# EAGLE board Mk4 Final a Panel score 2x5 (EAGLE 9.0.1), part 9 of 29 (continued)
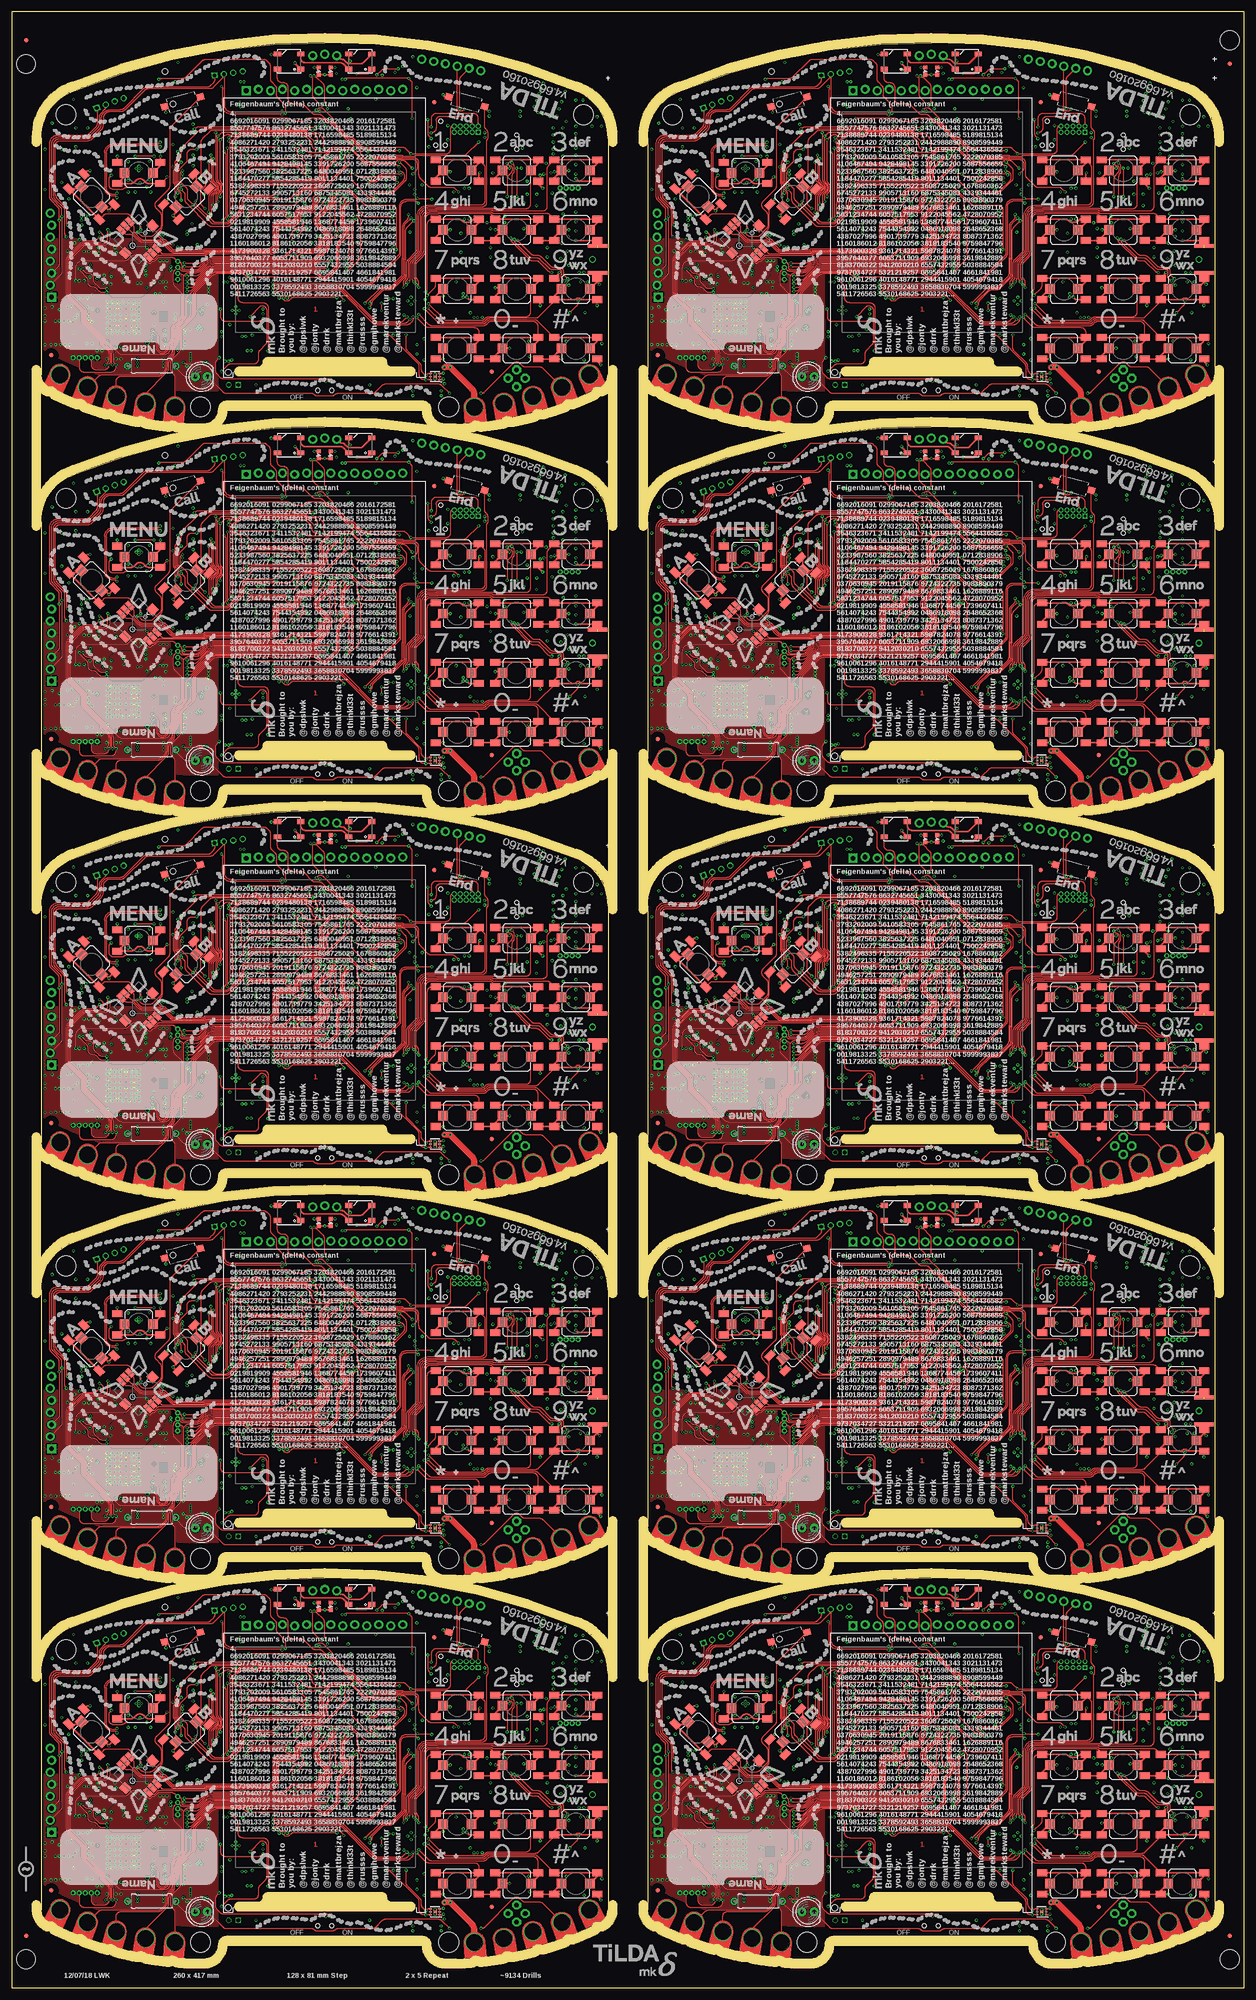
[diagram p0: board, top side]
## Tracks (layer width: path | path; a pad name or v marks a point on that pad's centre or on a via) (continued)
  Top 0.15: v178.25,28.7 180.41,30.86 arc-45 180.75,31 arc-90 181.75,30 181.75,23.41 arc-45 181.46,22.71 180.29,21.54 arc45 180,20.84 180,19.65 arc-90 179,18.65 174.16,18.65 arc45 173.46,18.36 v172.25,17.15
  Bottom 0.15: IC24.12 178.2,28.75 v178.25,28.7 | JP13.2 172.54,15.46 arc-45 172.25,16.16 v172.25,17.15
BQ_!QON2  (via drill 0.3)
  Top 0.15: v50.25,109.7 52.41,111.86 arc-45 52.75,112 arc-90 53.75,111 53.75,104.41 arc-45 53.46,103.71 52.29,102.54 arc45 52,101.84 52,100.65 arc-90 51,99.65 46.16,99.65 arc45 45.46,99.36 v44.25,98.15
  Bottom 0.15: IC42.12 50.2,109.75 v50.25,109.7 | JP22.2 44.54,96.46 arc-45 44.25,97.16 v44.25,98.15
BQ_!QON3  (via drill 0.3)
  Top 0.15: v178.25,109.7 180.41,111.86 arc-45 180.75,112 arc-90 181.75,111 181.75,104.41 arc-45 181.46,103.71 180.29,102.54 arc45 180,101.84 180,100.65 arc-90 179,99.65 174.16,99.65 arc45 173.46,99.36 v172.25,98.15
  Bottom 0.15: IC60.12 178.2,109.75 v178.25,109.7 | JP31.2 172.54,96.46 arc-45 172.25,97.16 v172.25,98.15
BQ_!QON4  (via drill 0.3)
  Top 0.15: v50.25,190.7 52.41,192.86 arc-45 52.75,193 arc-90 53.75,192 53.75,185.41 arc-45 53.46,184.71 52.29,183.54 arc45 52,182.84 52,181.65 arc-90 51,180.65 46.16,180.65 arc45 45.46,180.36 v44.25,179.15
  Bottom 0.15: IC78.12 50.2,190.75 v50.25,190.7 | JP40.2 44.54,177.46 arc-45 44.25,178.16 v44.25,179.15
BQ_!QON5  (via drill 0.3)
  Top 0.15: v178.25,190.7 180.41,192.86 arc-45 180.75,193 arc-90 181.75,192 181.75,185.41 arc-45 181.46,184.71 180.29,183.54 arc45 180,182.84 180,181.65 arc-90 179,180.65 174.16,180.65 arc45 173.46,180.36 v172.25,179.15
  Bottom 0.15: IC96.12 178.2,190.75 v178.25,190.7 | JP49.2 172.54,177.46 arc-45 172.25,178.16 v172.25,179.15
BQ_!QON6  (via drill 0.3)
  Top 0.15: v50.25,271.7 52.41,273.86 arc-45 52.75,274 arc-90 53.75,273 53.75,266.41 arc-45 53.46,265.71 52.29,264.54 arc45 52,263.84 52,262.65 arc-90 51,261.65 46.16,261.65 arc45 45.46,261.36 v44.25,260.15
  Bottom 0.15: IC114.12 50.2,271.75 v50.25,271.7 | JP58.2 44.54,258.46 arc-45 44.25,259.16 v44.25,260.15
BQ_!QON7  (via drill 0.3)
  Top 0.15: v178.25,271.7 180.41,273.86 arc-45 180.75,274 arc-90 181.75,273 181.75,266.41 arc-45 181.46,265.71 180.29,264.54 arc45 180,263.84 180,262.65 arc-90 179,261.65 174.16,261.65 arc45 173.46,261.36 v172.25,260.15
  Bottom 0.15: IC132.12 178.2,271.75 v178.25,271.7 | JP67.2 172.54,258.46 arc-45 172.25,259.16 v172.25,260.15
BQ_!QON8  (via drill 0.3)
  Top 0.15: v50.25,352.7 52.41,354.86 arc-45 52.75,355 arc-90 53.75,354 53.75,347.41 arc-45 53.46,346.71 52.29,345.54 arc45 52,344.84 52,343.65 arc-90 51,342.65 46.16,342.65 arc45 45.46,342.36 v44.25,341.15
  Bottom 0.15: IC150.12 50.2,352.75 v50.25,352.7 | JP76.2 44.54,339.46 arc-45 44.25,340.16 v44.25,341.15
BQ_!QON9  (via drill 0.3)
  Top 0.15: v178.25,352.7 180.41,354.86 arc-45 180.75,355 arc-90 181.75,354 181.75,347.41 arc-45 181.46,346.71 180.29,345.54 arc45 180,344.84 180,343.65 arc-90 179,342.65 174.16,342.65 arc45 173.46,342.36 v172.25,341.15
  Bottom 0.15: IC168.12 178.2,352.75 v178.25,352.7 | JP85.2 172.54,339.46 arc-45 172.25,340.16 v172.25,341.15
BQ_PMID
  Bottom 0.3: IC8.23 44.42,30.75
  Bottom 0.4: C36.1 43.3,31.04 43.92,31.04 arc-45 44.27,30.9 44.42,30.75
BQ_PMID1
  Bottom 0.3: IC24.23 172.42,30.75
  Bottom 0.4: C148.1 171.31,31.04 171.92,31.04 arc-45 172.27,30.9 172.42,30.75
BQ_PMID2
  Bottom 0.3: IC42.23 44.42,111.75
  Bottom 0.4: C256.1 43.3,112.04 43.92,112.04 arc-45 44.27,111.9 44.42,111.75
BQ_PMID3
  Bottom 0.3: IC60.23 172.42,111.75
  Bottom 0.4: C364.1 171.31,112.04 171.92,112.04 arc-45 172.27,111.9 172.42,111.75
BQ_PMID4
  Bottom 0.3: IC78.23 44.42,192.75
  Bottom 0.4: C472.1 43.3,193.04 43.92,193.04 arc-45 44.27,192.9 44.42,192.75
BQ_PMID5
  Bottom 0.3: IC96.23 172.42,192.75
  Bottom 0.4: C580.1 171.31,193.04 171.92,193.04 arc-45 172.27,192.9 172.42,192.75
BQ_PMID6
  Bottom 0.3: IC114.23 44.42,273.75
  Bottom 0.4: C688.1 43.3,274.05 43.92,274.05 arc-45 44.27,273.9 44.42,273.75
BQ_PMID7
  Bottom 0.3: IC132.23 172.42,273.75
  Bottom 0.4: C796.1 171.31,274.05 171.92,274.05 arc-45 172.27,273.9 172.42,273.75
BQ_PMID8
  Bottom 0.3: IC150.23 44.42,354.75
  Bottom 0.4: C904.1 43.3,355.05 43.92,355.05 arc-45 44.27,354.9 44.42,354.75
BQ_PMID9
  Bottom 0.3: IC168.23 172.42,354.75
  Bottom 0.4: C1012.1 171.31,355.05 171.92,355.05 arc-45 172.27,354.9 172.42,354.75
BQ_PSEL
  Bottom 0.15: IC8.2 46.5,35.25 R19.1 R18.1
BQ_PSEL1
  Bottom 0.15: IC24.2 174.5,35.25 R101.1 R100.1
BQ_PSEL2
  Bottom 0.15: IC42.2 46.5,116.25 R179.1 R178.1
BQ_PSEL3
  Bottom 0.15: IC60.2 174.5,116.25 R257.1 R256.1
BQ_PSEL4
  Bottom 0.15: IC78.2 46.5,197.25 R335.1 R334.1
BQ_PSEL5
  Bottom 0.15: IC96.2 174.5,197.25 R413.1 R412.1
BQ_PSEL6
  Bottom 0.15: IC114.2 46.5,278.25 R491.1 R490.1
BQ_PSEL7
  Bottom 0.15: IC132.2 174.5,278.25 R569.1 R568.1
BQ_PSEL8
  Bottom 0.15: IC150.2 46.5,359.25 R647.1 R646.1
BQ_PSEL9
  Bottom 0.15: IC168.2 174.5,359.25 R725.1 R724.1
BQ_REGN  (via drill 0.3)
  Top 0.2: v44,30.25 44,28.75 arc90 45,27.75 52.09,27.75 arc45 52.79,28.04 v53,28.25
  Bottom 0.25: IC8.22 v44,30.25
  Bottom 0.3: R16.2 v53,28.25
  Bottom 0.4: C39.2 v44,30.25
BQ_REGN1  (via drill 0.3)
  Top 0.2: v172,30.25 172,28.75 arc90 173,27.75 180.09,27.75 arc45 180.79,28.04 v181,28.25
  Bottom 0.25: IC24.22 v172,30.25
  Bottom 0.3: R98.2 v181,28.25
  Bottom 0.4: C149.2 v172,30.25
BQ_REGN2  (via drill 0.3)
  Top 0.2: v44,111.25 44,109.75 arc90 45,108.75 52.09,108.75 arc45 52.79,109.04 v53,109.25
  Bottom 0.25: IC42.22 v44,111.25
  Bottom 0.3: R176.2 v53,109.25
  Bottom 0.4: C257.2 v44,111.25
BQ_REGN3  (via drill 0.3)
  Top 0.2: v172,111.25 172,109.75 arc90 173,108.75 180.09,108.75 arc45 180.79,109.04 v181,109.25
  Bottom 0.25: IC60.22 v172,111.25
  Bottom 0.3: R254.2 v181,109.25
  Bottom 0.4: C365.2 v172,111.25
BQ_REGN4  (via drill 0.3)
  Top 0.2: v44,192.25 44,190.75 arc90 45,189.75 52.09,189.75 arc45 52.79,190.04 v53,190.25
  Bottom 0.25: IC78.22 v44,192.25
  Bottom 0.3: R332.2 v53,190.25
  Bottom 0.4: C473.2 v44,192.25
BQ_REGN5  (via drill 0.3)
  Top 0.2: v172,192.25 172,190.75 arc90 173,189.75 180.09,189.75 arc45 180.79,190.04 v181,190.25
  Bottom 0.25: IC96.22 v172,192.25
  Bottom 0.3: R410.2 v181,190.25
  Bottom 0.4: C581.2 v172,192.25
BQ_REGN6  (via drill 0.3)
  Top 0.2: v44,273.25 44,271.75 arc90 45,270.75 52.09,270.75 arc45 52.79,271.04 v53,271.25
  Bottom 0.25: IC114.22 v44,273.25
  Bottom 0.3: R488.2 v53,271.25
  Bottom 0.4: C689.2 v44,273.25
BQ_REGN7  (via drill 0.3)
  Top 0.2: v172,273.25 172,271.75 arc90 173,270.75 180.09,270.75 arc45 180.79,271.04 v181,271.25
  Bottom 0.25: IC132.22 v172,273.25
  Bottom 0.3: R566.2 v181,271.25
  Bottom 0.4: C797.2 v172,273.25
BQ_REGN8  (via drill 0.3)
  Top 0.2: v44,354.25 44,352.75 arc90 45,351.75 52.09,351.75 arc45 52.79,352.04 v53,352.25
  Bottom 0.25: IC150.22 v44,354.25
  Bottom 0.3: R644.2 v53,352.25
  Bottom 0.4: C905.2 v44,354.25
BQ_REGN9  (via drill 0.3)
  Top 0.2: v172,354.25 172,352.75 arc90 173,351.75 180.09,351.75 arc45 180.79,352.04 v181,352.25
  Bottom 0.25: IC168.22 v172,354.25
  Bottom 0.3: R722.2 v181,352.25
  Bottom 0.4: C1013.2 v172,354.25
BQ_STAT
  Bottom 0.15: IC8.4 47.5,33.25 R20.1
BQ_STAT1
  Bottom 0.15: IC24.4 175.5,33.25 R102.1
BQ_STAT2
  Bottom 0.15: IC42.4 47.5,114.25 R180.1
BQ_STAT3
  Bottom 0.15: IC60.4 175.5,114.25 R258.1
BQ_STAT4
  Bottom 0.15: IC78.4 47.5,195.25 R336.1
BQ_STAT5
  Bottom 0.15: IC96.4 175.5,195.25 R414.1
BQ_STAT6
  Bottom 0.15: IC114.4 47.5,276.25 R492.1
BQ_STAT7
  Bottom 0.15: IC132.4 175.5,276.25 R570.1
BQ_STAT8
  Bottom 0.15: IC150.4 47.5,357.25 R648.1
BQ_STAT9
  Bottom 0.15: IC168.4 175.5,357.25 R726.1
BQ_STAT_R
  Bottom 0.15: LED6.C 48,34.75 R20.2
BQ_STAT_R1
  Bottom 0.15: LED12.C 176,34.75 R102.2
BQ_STAT_R2
  Bottom 0.15: LED18.C 48,115.75 R180.2
BQ_STAT_R3
  Bottom 0.15: LED24.C 176,115.75 R258.2
BQ_STAT_R4
  Bottom 0.15: LED30.C 48,196.75 R336.2
BQ_STAT_R5
  Bottom 0.15: LED36.C 176,196.75 R414.2
BQ_STAT_R6
  Bottom 0.15: LED42.C 48,277.75 R492.2
BQ_STAT_R7
  Bottom 0.15: LED48.C 176,277.75 R570.2
BQ_STAT_R8
  Bottom 0.15: LED54.C 48,358.75 R648.2
BQ_STAT_R9
  Bottom 0.15: LED60.C 176,358.75 R726.2
BQ_SW
  pour Bottom (no thermals): 45.5,29.3 44.3,29.3 43.85,28.85 arc-45 43.49,28.7 43.01,28.7 arc-45 42.65,28.85 42.5,29 42.5,29.45 42.05,29.45 41.3,28.7 arc45 41.15,28.34 41.15,26.5 43.5,26.5 arc90 44,27 44,27.79 arc-45 44.15,28.15 44.7,28.7 45.5,28.7
BQ_SW1
  pour Bottom (no thermals): 173.5,29.3 172.3,29.3 171.85,28.85 arc-45 171.49,28.7 171.01,28.7 arc-45 170.65,28.85 170.5,29 170.5,29.45 170.05,29.45 169.3,28.7 arc45 169.15,28.34 169.15,26.5 171.5,26.5 arc90 172,27 172,27.79 arc-45 172.15,28.15 172.7,28.7 173.5,28.7
BQ_SW2
  pour Bottom (no thermals): 45.5,110.3 44.3,110.3 43.85,109.85 arc-45 43.49,109.7 43.01,109.7 arc-45 42.65,109.85 42.5,110 42.5,110.45 42.05,110.45 41.3,109.7 arc45 41.15,109.34 41.15,107.5 43.5,107.5 arc90 44,108 44,108.79 arc-45 44.15,109.15 44.7,109.7 45.5,109.7
BQ_SW3
  pour Bottom (no thermals): 173.5,110.3 172.3,110.3 171.85,109.85 arc-45 171.49,109.7 171.01,109.7 arc-45 170.65,109.85 170.5,110 170.5,110.45 170.05,110.45 169.3,109.7 arc45 169.15,109.34 169.15,107.5 171.5,107.5 arc90 172,108 172,108.79 arc-45 172.15,109.15 172.7,109.7 173.5,109.7
BQ_SW4
  pour Bottom (no thermals): 45.5,191.3 44.3,191.3 43.85,190.85 arc-45 43.49,190.7 43.01,190.7 arc-45 42.65,190.85 42.5,191 42.5,191.45 42.05,191.45 41.3,190.7 arc45 41.15,190.34 41.15,188.5 43.5,188.5 arc90 44,189 44,189.79 arc-45 44.15,190.15 44.7,190.7 45.5,190.7
BQ_SW5
  pour Bottom (no thermals): 173.5,191.3 172.3,191.3 171.85,190.85 arc-45 171.49,190.7 171.01,190.7 arc-45 170.65,190.85 170.5,191 170.5,191.45 170.05,191.45 169.3,190.7 arc45 169.15,190.34 169.15,188.5 171.5,188.5 arc90 172,189 172,189.79 arc-45 172.15,190.15 172.7,190.7 173.5,190.7
BQ_SW6
  pour Bottom (no thermals): 45.5,272.3 44.3,272.3 43.85,271.85 arc-45 43.49,271.7 43.01,271.7 arc-45 42.65,271.85 42.5,272 42.5,272.45 42.05,272.45 41.3,271.7 arc45 41.15,271.34 41.15,269.5 43.5,269.5 arc90 44,270 44,270.79 arc-45 44.15,271.15 44.7,271.7 45.5,271.7
BQ_SW7
  pour Bottom (no thermals): 173.5,272.3 172.3,272.3 171.85,271.85 arc-45 171.49,271.7 171.01,271.7 arc-45 170.65,271.85 170.5,272 170.5,272.45 170.05,272.45 169.3,271.7 arc45 169.15,271.34 169.15,269.5 171.5,269.5 arc90 172,270 172,270.79 arc-45 172.15,271.15 172.7,271.7 173.5,271.7
BQ_SW8
  pour Bottom (no thermals): 45.5,353.3 44.3,353.3 43.85,352.85 arc-45 43.49,352.7 43.01,352.7 arc-45 42.65,352.85 42.5,353 42.5,353.45 42.05,353.45 41.3,352.7 arc45 41.15,352.34 41.15,350.5 43.5,350.5 arc90 44,351 44,351.79 arc-45 44.15,352.15 44.7,352.7 45.5,352.7
BQ_SW9
  pour Bottom (no thermals): 173.5,353.3 172.3,353.3 171.85,352.85 arc-45 171.49,352.7 171.01,352.7 arc-45 170.65,352.85 170.5,353 170.5,353.45 170.05,353.45 169.3,352.7 arc45 169.15,352.34 169.15,350.5 171.5,350.5 arc90 172,351 172,351.79 arc-45 172.15,352.15 172.7,352.7 173.5,352.7
BQ_TS
  Bottom 0.15: R16.1 R15.2 IC8.11
BQ_TS1
  Bottom 0.15: R98.1 R97.2 IC24.11
BQ_TS2
  Bottom 0.15: R176.1 R175.2 IC42.11
BQ_TS3
  Bottom 0.15: R254.1 R253.2 IC60.11
BQ_TS4
  Bottom 0.15: R332.1 R331.2 IC78.11
BQ_TS5
  Bottom 0.15: R410.1 R409.2 IC96.11
BQ_TS6
  Bottom 0.15: R488.1 R487.2 IC114.11
BQ_TS7
  Bottom 0.15: R566.1 R565.2 IC132.11
BQ_TS8
  Bottom 0.15: R644.1 R643.2 IC150.11
BQ_TS9
  Bottom 0.15: R722.1 R721.2 IC168.11
BT_ANT
  Bottom 0.4: IC5.20 109.8,57 arc-90 112.8,60 113.25,60 arc90 115.25,62 115.25,69.5 arc-21 116,70.5 arc-6 C74.2 arc-6 L5.1
BT_ANT1
  Bottom 0.4: IC21.20 237.8,57 arc-90 240.8,60 241.25,60 arc90 243.25,62 243.25,69.5 arc-21 244,70.5 arc-6 C175.2 arc-6 L14.1
BT_ANT2
  Bottom 0.4: IC39.20 109.8,138 arc-90 112.8,141 113.25,141 arc90 115.25,143 115.25,150.5 arc-21 116,151.5 arc-6 C283.2 arc-6 L23.1
BT_ANT3
  Bottom 0.4: IC57.20 237.8,138 arc-90 240.8,141 241.25,141 arc90 243.25,143 243.25,150.5 arc-21 244,151.5 arc-6 C391.2 arc-6 L32.1
BT_ANT4
  Bottom 0.4: IC75.20 109.8,219 arc-90 112.8,222 113.25,222 arc90 115.25,224 115.25,231.5 arc-21 116,232.5 arc-6 C499.2 arc-6 L41.1
BT_ANT5
  Bottom 0.4: IC93.20 237.8,219 arc-90 240.8,222 241.25,222 arc90 243.25,224 243.25,231.5 arc-21 244,232.5 arc-6 C607.2 arc-6 L50.1
BT_ANT6
  Bottom 0.4: IC111.20 109.8,300 arc-90 112.8,303 113.25,303 arc90 115.25,305 115.25,312.5 arc-21 116,313.5 arc-6 C715.2 arc-6 L59.1
BT_ANT7
  Bottom 0.4: IC129.20 237.8,300 arc-90 240.8,303 241.25,303 arc90 243.25,305 243.25,312.5 arc-21 244,313.5 arc-6 C823.2 arc-6 L68.1
BT_ANT8
  Bottom 0.4: IC147.20 109.8,381 arc-90 112.8,384 113.25,384 arc90 115.25,386 115.25,393.5 arc-21 116,394.5 arc-6 C931.2 arc-6 L77.1
BT_ANT9
  Bottom 0.4: IC165.20 237.8,381 arc-90 240.8,384 241.25,384 arc90 243.25,386 243.25,393.5 arc-21 244,394.5 arc-6 C1039.2 arc-6 L86.1
BT_ANT_L
  Bottom 0.4: L5.2 arc-10 C75.2 117.28,74.22 arc85 117,74.75 arc15 ANT2.1
BT_ANT_L1
  Bottom 0.4: L14.2 arc-10 C176.2 245.28,74.22 arc85 245,74.75 arc15 ANT4.1
BT_ANT_L2
  Bottom 0.4: L23.2 arc-10 C284.2 117.28,155.22 arc85 117,155.75 arc15 ANT6.1
BT_ANT_L3
  Bottom 0.4: L32.2 arc-10 C392.2 245.28,155.22 arc85 245,155.75 arc15 ANT8.1
BT_ANT_L4
  Bottom 0.4: L41.2 arc-10 C500.2 117.28,236.22 arc85 117,236.75 arc15 ANT10.1
BT_ANT_L5
  Bottom 0.4: L50.2 arc-10 C608.2 245.28,236.22 arc85 245,236.75 arc15 ANT12.1
BT_ANT_L6
  Bottom 0.4: L59.2 arc-10 C716.2 117.28,317.22 arc85 117,317.75 arc15 ANT14.1
BT_ANT_L7
  Bottom 0.4: L68.2 arc-10 C824.2 245.28,317.22 arc85 245,317.75 arc15 ANT16.1
BT_ANT_L8
  Bottom 0.4: L77.2 arc-10 C932.2 117.28,398.22 arc85 117,398.75 arc15 ANT18.1
BT_ANT_L9
  Bottom 0.4: L86.2 arc-10 C1040.2 245.28,398.22 arc85 245,398.75 arc15 ANT20.1
BTN_1  (via drill 0.3)
  Top 0.2: S1.B2 99.61,60.69 arc-45 99.9,59.99 99.9,53.25 arc-90 98.9,52.25 89.31,52.25 89.23,52.17 87.8,52.17 arc90 85.55,49.92 85.55,43.09 arc-45 85.26,42.38 83.62,40.74 arc45 83.33,40.04 83.33,37.31 arc-45 83.03,36.61 82.94,36.52 arc45 82.65,35.81 v82.65,34.85
  Top 0.3: S1.2 98.55,61.05 S1.B2 S1.B1
  Bottom 0.15: IC4.1 83,34.42 arc45 82.94,34.56 v82.65,34.85
BTN_2  (via drill 0.3)
  Top 0.2: S2.2 109.5,52.5 arc-90 108.5,51.5 101.48,51.5 101.44,51.55 89.6,51.55 89.53,51.48 88,51.48 arc90 86.25,49.73 86.25,43.01 arc-45 85.81,41.95 84.39,40.53 arc45 84.1,39.82 84.1,36.81 arc-45 83.81,36.11 v83.7,36
  Top 0.3: S2.2 111.05,61.05 S2.B2 S2.B1
  Bottom 0.15: IC4.3 84,35.29 arc45 v83.71,35.99 v83.7,36
BTN_3  (via drill 0.3)
  Top 0.2: S3.B1 113.29,60.59 arc45 113,59.89 113,52 arc-90 112,51 101.57,51 arc-45 101.43,51.06 101.35,51.14 arc45 101.21,51.2 89.75,51.2 89.67,51.12 88.1,51.12 arc90 86.6,49.62 86.6,42.97 arc-45 86.09,41.73 84.79,40.43 arc45 84.5,39.73 84.5,36.71 arc45 v84.79,36.01 v84.8,36
  Top 0.3: S3.2 123.55,61.05 S3.B2 S3.B1
  Bottom 0.15: IC4.4 84.5,35.29 arc-45 v84.79,35.99 v84.8,36
BTN_4  (via drill 0.3)
  Top 0.2: S4.B1 88.7,49.25 arc90 87.7,48.25 87.7,37.2 87.7,37 87.7,34.71 arc-45 87.41,34.01 v87.3,33.9
  Top 0.3: S4.2 98.55,48.55 S4.B2 97.76,49.25 arc45 97.06,48.96 96.89,48.8 arc-45 96.54,48.65 95.46,48.65 arc-45 95.11,48.8 94.94,48.96 arc45 94.24,49.25 S4.B1
  Bottom 0.15: IC4.7 86.65,33.25 v87.3,33.9
BTN_5  (via drill 0.3)
  Top 0.2: S5.B1 101.95,49.55 101.29,50.21 arc45 100.59,50.5 90.03,50.5 89.96,50.42 88.35,50.42 arc90 87.35,49.42 87.35,42.93 arc-45 86.69,41.34 85.59,40.24 arc45 85.3,39.54 85.3,37.19 arc45 85.59,36.48 arc-45 85.85,35.86 v85.85,34.85
  Top 0.3: S5.2 111.05,48.55 S5.B2 S5.B1
  Bottom 0.15: IC4.6 85.5,34.29 arc-45 85.65,34.65 v85.85,34.85
BTN_6  (via drill 0.3)
  Top 0.2: S6.B1 113.49,50.21 arc45 112.79,50.5 101.58,50.5 arc-45 101.44,50.56 arc45 100.73,50.85 89.89,50.85 89.81,50.77 88.25,50.77 arc90 87,49.52 87,42.97 arc-45 86.41,41.56 85.19,40.34 arc45 84.9,39.63 84.9,37.09 arc45 85.19,36.39 arc-45 85.35,36.01 85.35,35.77 85.3,35.72 v85.3,35.4
  Top 0.3: S6.2 123.55,48.55 S6.B2 S6.B1
  Bottom 0.15: IC4.5 85,34.69 arc-45 v85.29,35.39 v85.3,35.4
BTN_7  (via drill 0.3)
  Top 0.2: v87.63,33.17 89.16,34.7 arc45 89.45,35.4 S7.B1
  Top 0.3: S7.2 98.55,36.05 S7.B2 S7.B1
  Bottom 0.15: IC4.8 86.97,32.75 87.02,32.8 arc45 87.43,32.97 v87.63,33.17
BTN_8  (via drill 0.3)
  Top 0.2: S8.2 109.5,29.7 arc-90 108.5,28.7 100.71,28.7 arc45 100.01,28.41 99.79,28.19 arc-45 99.09,27.9 93.7,27.9 91.81,27.9 arc-45 91.11,28.19 v87.9,31.4
  Top 0.3: S8.2 111.05,36.05 S8.B2 S8.B1
  Bottom 0.15: IC4.10 87.01,31.75 87.03,31.73 87.16,31.73 arc-45 87.87,31.43 v87.9,31.4
BTN_9  (via drill 0.3)
  Top 0.2: v87.8,30.5 90.46,27.84 arc45 91.16,27.55 99.23,27.55 arc45 99.94,27.84 100.1,28.01 arc-45 100.81,28.3 110.39,28.3 arc45 111.09,28.59 114.45,31.95 S9.B2
  Top 0.3: S9.2 114.45,32.95 S9.B2 118.9,32.25 119.25,32.6 119.75,32.6 120.1,32.25 S9.B1
  Bottom 0.15: IC4.11 86.64,31.25 arc-45 87.34,30.96 v87.8,30.5
BTN_10  (via drill 0.3)
  Top 0.2: S10.B2 98.55,25.4 arc90 97.55,26.4 87.91,26.4 arc-45 87.21,26.69 v85.4,28.5
  Top 0.3: S10.2 98.55,23.55 S10.B2 S10.B1
  Bottom 0.15: IC4.14 85,29.31 arc45 85.15,28.95 85.26,28.84 arc-45 v85.4,28.5
BTN_11  (via drill 0.3)
  Top 0.2: S11.B2 111.05,26.6 arc90 110.05,27.6 101.11,27.6 arc45 100.41,27.31 100.19,27.09 arc-45 99.49,26.8 88.61,26.8 arc-45 87.91,27.09 v85.85,29.15
  Top 0.3: S11.2 111.05,23.55 S11.B2 S11.B1 | S11.B1 101.75,24.25 101.5,24 101.7,24 S11.B1
  Bottom 0.15: IC4.13 85.5,29.5 v85.85,29.15
BTN_12  (via drill 0.3)
  Top 0.2: S12.B1 111.04,27.66 arc45 110.34,27.95 100.95,27.95 arc45 100.25,27.66 100.08,27.49 arc-45 99.38,27.2 90.61,27.2 arc-45 89.91,27.49 v87.05,30.35
  Top 0.3: S12.2 123.26,23.26 arc45 123.55,23.96 S12.B2 S12.B1
  Bottom 0.15: IC4.12 86.65,30.75 v87.05,30.35
BTN_13  (via drill 0.3)
  Top 0.2: S21.B2 227.61,60.69 arc-45 227.9,59.99 227.9,53.25 arc-90 226.9,52.25 217.31,52.25 217.24,52.17 215.8,52.17 arc90 213.55,49.92 213.55,43.09 arc-45 213.26,42.38 211.62,40.74 arc45 211.32,40.04 211.32,37.31 arc-45 211.03,36.61 210.94,36.52 arc45 210.65,35.81 v210.65,34.85
  Top 0.3: S21.2 226.55,61.05 S21.B2 S21.B1
  Bottom 0.15: IC31.1 211,34.42 arc45 210.94,34.56 v210.65,34.85
BTN_14  (via drill 0.3)
  Top 0.2: S26.2 237.5,52.5 arc-90 236.5,51.5 229.49,51.5 229.44,51.55 217.6,51.55 217.53,51.48 216,51.48 arc90 214.25,49.73 214.25,43.01 arc-45 213.81,41.95 212.39,40.53 arc45 212.1,39.82 212.1,36.81 arc-45 211.81,36.11 v211.7,36
  Top 0.3: S26.2 239.05,61.05 S26.B2 S26.B1
  Bottom 0.15: IC31.3 212,35.29 arc45 v211.71,35.99 v211.7,36
BTN_15  (via drill 0.3)
  Top 0.2: S30.B1 241.29,60.59 arc45 241,59.89 241,52 arc-90 240,51 229.57,51 arc-45 229.43,51.06 229.35,51.14 arc45 229.21,51.2 217.75,51.2 217.67,51.12 216.1,51.12 arc90 214.6,49.62 214.6,42.97 arc-45 214.09,41.73 212.79,40.43 arc45 212.5,39.73 212.5,36.71 arc45 v212.79,36.01 v212.8,36
  Top 0.3: S30.2 251.55,61.05 S30.B2 S30.B1
  Bottom 0.15: IC31.4 212.5,35.29 arc-45 v212.79,35.99 v212.8,36
BTN_16  (via drill 0.3)
  Top 0.2: S25.B2 226.55,25.4 arc90 225.55,26.4 215.91,26.4 arc-45 215.21,26.69 v213.4,28.5
  Top 0.3: S25.2 226.55,23.55 S25.B2 S25.B1
  Bottom 0.15: IC31.14 213,29.31 arc45 213.15,28.95 213.26,28.84 arc-45 v213.4,28.5
BTN_17  (via drill 0.3)
  Top 0.2: S27.B1 229.95,49.55 229.29,50.21 arc45 228.59,50.5 218.03,50.5 217.96,50.42 216.35,50.42 arc90 215.35,49.42 215.35,42.93 arc-45 214.69,41.34 213.59,40.24 arc45 213.3,39.54 213.3,37.19 arc45 213.59,36.48 arc-45 213.85,35.86 v213.85,34.85
  Top 0.3: S27.2 239.05,48.55 S27.B2 S27.B1
  Bottom 0.15: IC31.6 213.5,34.29 arc-45 213.65,34.65 v213.85,34.85
BTN_18  (via drill 0.3)
  Top 0.2: S28.2 237.5,29.7 arc-90 236.5,28.7 228.71,28.7 arc45 228.01,28.41 227.79,28.19 arc-45 227.09,27.9 221.7,27.9 219.81,27.9 arc-45 219.11,28.19 v215.9,31.4
  Top 0.3: S28.2 239.05,36.05 S28.B2 S28.B1
  Bottom 0.15: IC31.10 215.01,31.75 215.03,31.73 215.16,31.73 arc-45 215.87,31.43 v215.9,31.4
BTN_19  (via drill 0.3)
  Top 0.2: S29.B2 239.05,26.6 arc90 238.05,27.6 229.11,27.6 arc45 228.41,27.31 228.19,27.09 arc-45 227.49,26.8 216.61,26.8 arc-45 215.91,27.09 v213.85,29.15
  Top 0.3: S29.2 239.05,23.55 S29.B2 S29.B1 | S29.B1 229.75,24.25 229.5,24 229.7,24 S29.B1
  Bottom 0.15: IC31.13 213.5,29.5 v213.85,29.15
BTN_20  (via drill 0.3)
  Top 0.2: S31.B1 241.49,50.21 arc45 240.79,50.5 229.58,50.5 arc-45 229.44,50.56 arc45 228.73,50.85 217.89,50.85 217.81,50.77 216.25,50.77 arc90 215,49.52 215,42.97 arc-45 214.41,41.56 213.19,40.34 arc45 212.9,39.63 212.9,37.09 arc45 213.19,36.39 arc-45 213.35,36.01 213.35,35.77 213.3,35.72 v213.3,35.4
  Top 0.3: S31.2 251.55,48.55 S31.B2 S31.B1
  Bottom 0.15: IC31.5 213,34.69 arc-45 v213.29,35.39 v213.3,35.4
BTN_21  (via drill 0.3)
  Top 0.2: v215.8,30.5 218.46,27.84 arc45 219.16,27.55 227.23,27.55 arc45 227.94,27.84 228.1,28.01 arc-45 228.81,28.3 238.39,28.3 arc45 239.09,28.59 242.45,31.95 S32.B2
  Top 0.3: S32.2 242.45,32.95 S32.B2 246.9,32.25 247.25,32.6 247.75,32.6 248.1,32.25 S32.B1
  Bottom 0.15: IC31.11 214.64,31.25 arc-45 215.34,30.96 v215.8,30.5
BTN_22  (via drill 0.3)
  Top 0.2: S33.B1 239.04,27.66 arc45 238.34,27.95 228.95,27.95 arc45 228.25,27.66 228.08,27.49 arc-45 227.38,27.2 218.61,27.2 arc-45 217.91,27.49 v215.05,30.35
  Top 0.3: S33.2 251.26,23.26 arc45 251.55,23.96 S33.B2 S33.B1
  Bottom 0.15: IC31.12 214.65,30.75 v215.05,30.35
BTN_23  (via drill 0.3)
  Top 0.2: S23.B1 216.7,49.25 arc90 215.7,48.25 215.7,37.2 215.7,37 215.7,34.71 arc-45 215.41,34.01 v215.3,33.9
  Top 0.3: S23.2 226.55,48.55 S23.B2 225.76,49.25 arc45 225.06,48.96 224.9,48.8 arc-45 224.54,48.65 223.46,48.65 arc-45 223.1,48.8 222.94,48.96 arc45 222.24,49.25 S23.B1
  Bottom 0.15: IC31.7 214.65,33.25 v215.3,33.9
BTN_24  (via drill 0.3)
  Top 0.2: v215.63,33.17 217.16,34.7 arc45 217.45,35.4 S24.B1
  Top 0.3: S24.2 226.55,36.05 S24.B2 S24.B1
  Bottom 0.15: IC31.8 214.97,32.75 215.02,32.8 arc45 215.43,32.97 v215.63,33.17
BTN_25  (via drill 0.3)
  Top 0.2: S43.B2 99.61,141.69 arc-45 99.9,140.99 99.9,134.25 arc-90 98.9,133.25 89.31,133.25 89.23,133.18 87.8,133.18 arc90 85.55,130.93 85.55,124.09 arc-45 85.26,123.38 83.62,121.74 arc45 83.33,121.04 83.33,118.31 arc-45 83.03,117.61 82.94,117.52 arc45 82.65,116.81 v82.65,115.85
  Top 0.3: S43.2 98.55,142.05 S43.B2 S43.B1
  Bottom 0.15: IC49.1 83,115.42 arc45 82.94,115.56 v82.65,115.85
BTN_26  (via drill 0.3)
  Top 0.2: S47.2 109.5,133.5 arc-90 108.5,132.5 101.48,132.5 101.44,132.55 89.6,132.55 89.53,132.47 88,132.47 arc90 86.25,130.72 86.25,124.01 arc-45 85.81,122.95 84.39,121.53 arc45 84.1,120.82 84.1,117.81 arc-45 83.81,117.11 v83.7,117
  Top 0.3: S47.2 111.05,142.05 S47.B2 S47.B1
  Bottom 0.15: IC49.3 84,116.29 arc45 v83.71,116.99 v83.7,117
BTN_27  (via drill 0.3)
  Top 0.2: S51.B1 113.29,141.59 arc45 113,140.89 113,133 arc-90 112,132 101.57,132 arc-45 101.43,132.06 101.35,132.14 arc45 101.21,132.2 89.75,132.2 89.67,132.12 88.1,132.12 arc90 86.6,130.62 86.6,123.97 arc-45 86.09,122.73 84.79,121.43 arc45 84.5,120.73 84.5,117.71 arc45 v84.79,117.01 v84.8,117
  Top 0.3: S51.2 123.55,142.05 S51.B2 S51.B1
  Bottom 0.15: IC49.4 84.5,116.29 arc-45 v84.79,116.99 v84.8,117
BTN_28  (via drill 0.3)
  Top 0.2: S46.B2 98.55,106.4 arc90 97.55,107.4 87.91,107.4 arc-45 87.21,107.69 v85.4,109.5
  Top 0.3: S46.2 98.55,104.55 S46.B2 S46.B1
  Bottom 0.15: IC49.14 85,110.31 arc45 85.15,109.95 85.26,109.84 arc-45 v85.4,109.5
BTN_29  (via drill 0.3)
  Top 0.2: S48.B1 101.95,130.55 101.29,131.21 arc45 100.59,131.5 90.03,131.5 89.96,131.43 88.35,131.43 arc90 87.35,130.43 87.35,123.93 arc-45 86.69,122.34 85.59,121.24 arc45 85.3,120.54 85.3,118.19 arc45 85.59,117.48 arc-45 85.85,116.86 v85.85,115.85
  Top 0.3: S48.2 111.05,129.55 S48.B2 S48.B1
  Bottom 0.15: IC49.6 85.5,115.29 arc-45 85.65,115.65 v85.85,115.85
BTN_30  (via drill 0.3)
  Top 0.2: S49.2 109.5,110.7 arc-90 108.5,109.7 100.71,109.7 arc45 100.01,109.41 99.79,109.19 arc-45 99.09,108.9 93.7,108.9 91.81,108.9 arc-45 91.11,109.19 v87.9,112.4
  Top 0.3: S49.2 111.05,117.05 S49.B2 S49.B1
  Bottom 0.15: IC49.10 87.01,112.75 87.03,112.72 87.16,112.72 arc-45 87.87,112.43 v87.9,112.4
BTN_31  (via drill 0.3)
  Top 0.2: S50.B2 111.05,107.6 arc90 110.05,108.6 101.11,108.6 arc45 100.41,108.31 100.19,108.09 arc-45 99.49,107.8 88.61,107.8 arc-45 87.91,108.09 v85.85,110.15
  Top 0.3: S50.2 111.05,104.55 S50.B2 S50.B1 | S50.B1 101.75,105.25 101.5,105 101.7,105 S50.B1
  Bottom 0.15: IC49.13 85.5,110.5 v85.85,110.15
BTN_32  (via drill 0.3)
  Top 0.2: S52.B1 113.49,131.21 arc45 112.79,131.5 101.58,131.5 arc-45 101.44,131.56 arc45 100.73,131.85 89.89,131.85 89.81,131.78 88.25,131.78 arc90 87,130.53 87,123.97 arc-45 86.41,122.56 85.19,121.34 arc45 84.9,120.63 84.9,118.09 arc45 85.19,117.39 arc-45 85.35,117.01 85.35,116.77 85.3,116.72 v85.3,116.4
  Top 0.3: S52.2 123.55,129.55 S52.B2 S52.B1
  Bottom 0.15: IC49.5 85,115.69 arc-45 v85.29,116.39 v85.3,116.4
BTN_33  (via drill 0.3)
  Top 0.2: v87.8,111.5 90.46,108.84 arc45 91.16,108.55 99.23,108.55 arc45 99.94,108.84 100.1,109.01 arc-45 100.81,109.3 110.39,109.3 arc45 111.09,109.59 114.45,112.95 S53.B2
  Top 0.3: S53.2 114.45,113.95 S53.B2 118.9,113.25 119.25,113.6 119.75,113.6 120.1,113.25 S53.B1
  Bottom 0.15: IC49.11 86.64,112.25 arc-45 87.34,111.96 v87.8,111.5
BTN_34  (via drill 0.3)